# Altium PCB PCB2.PcbDoc (part 4 of 16) (continued)
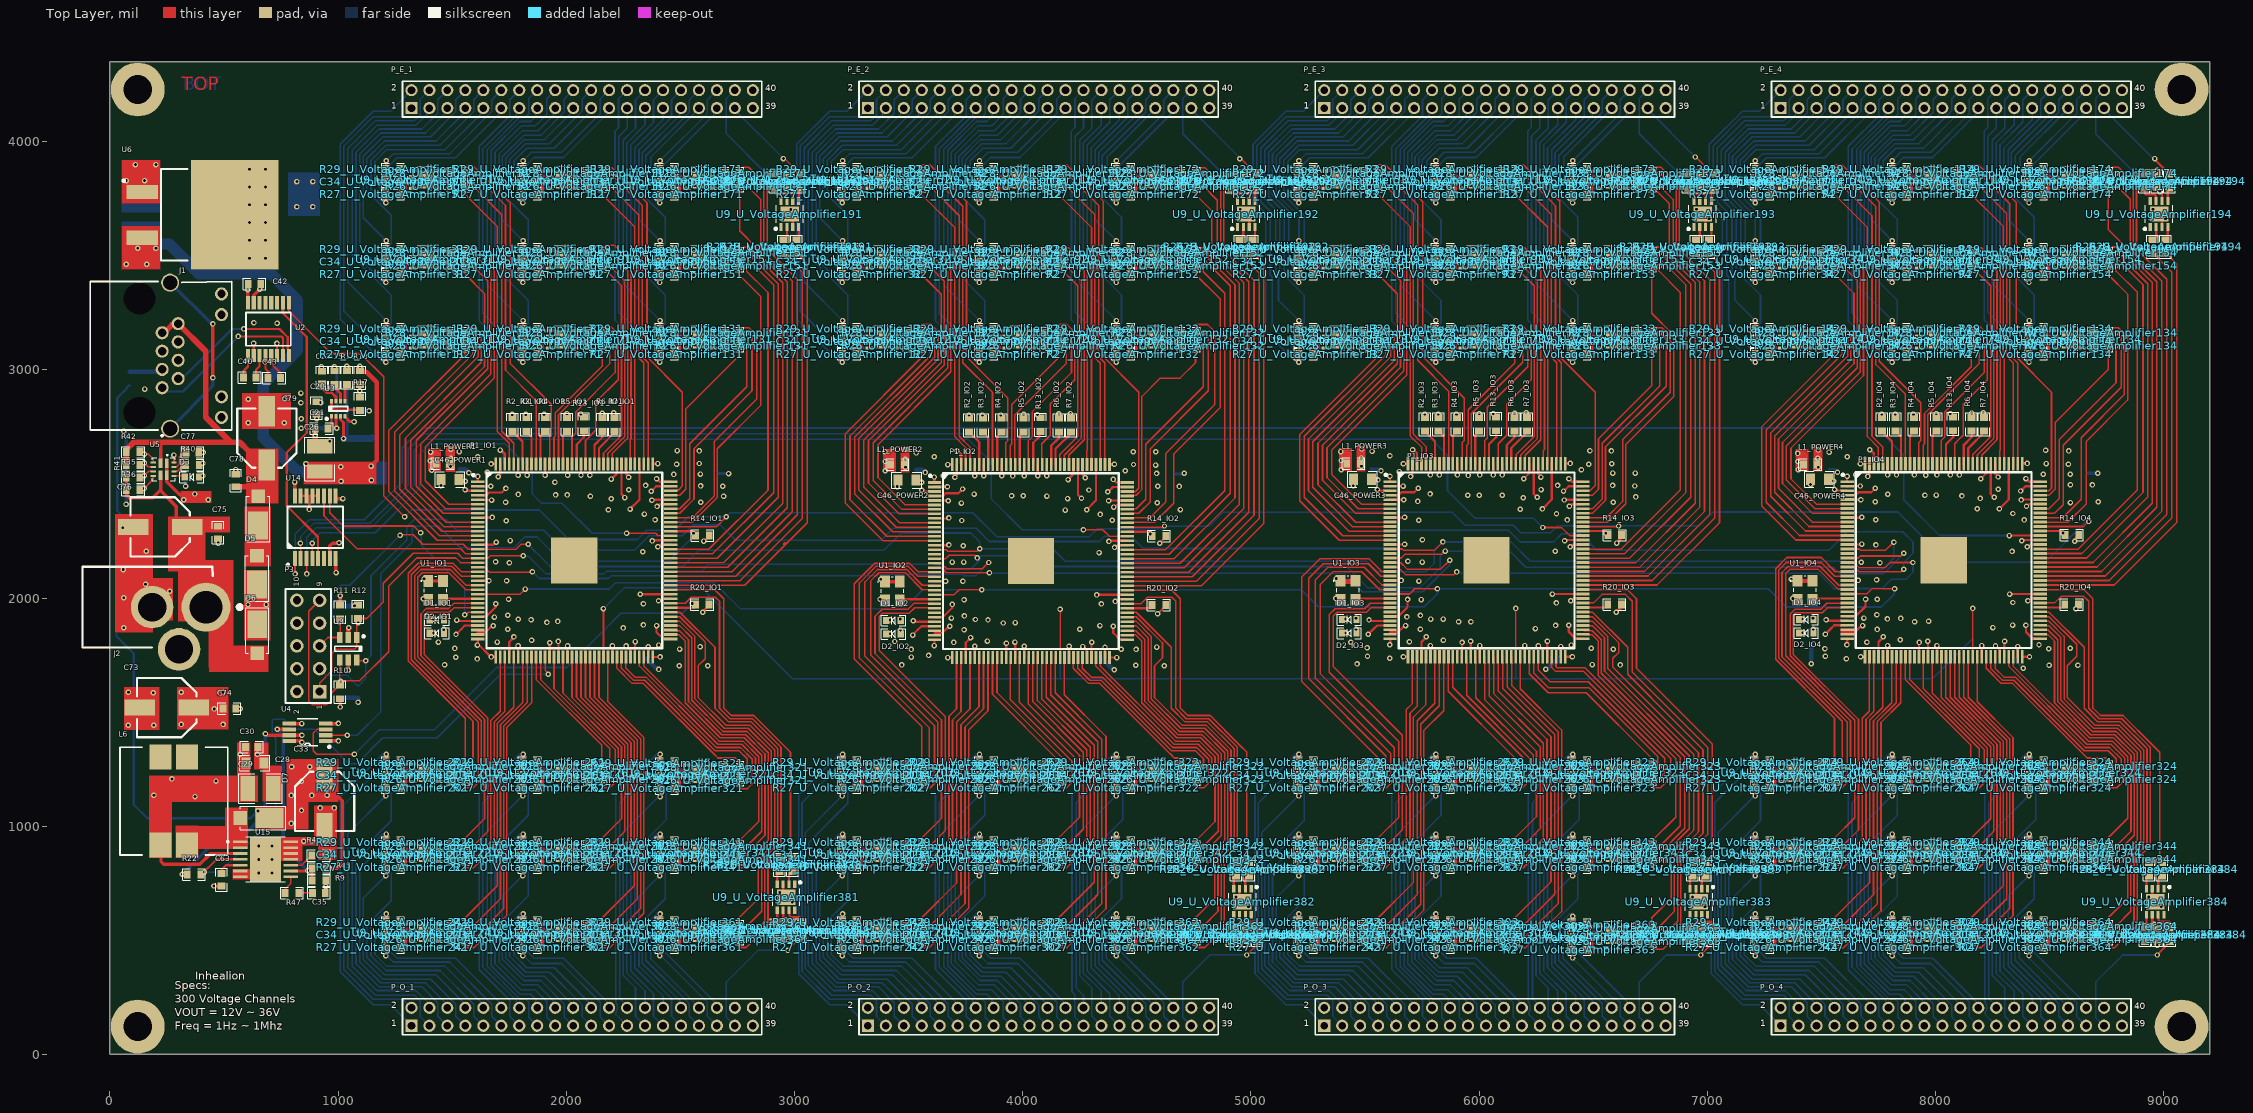
[diagram p0: Top Layer view]
## Components (designator, comment, footprint, x,y, rotation, side; value= is the part's Value field where it differs from the comment) (continued)
R29_U_VoltageAmplifier341 "160R" 0603R 2440.09,929.18 r0 top (schematic designator R29)
R29_U_VoltageAmplifier342 "160R" 0603R 4440.09,929.18 r0 top (schematic designator R29)
R29_U_VoltageAmplifier343 "160R" 0603R 6440.09,929.18 r0 top (schematic designator R29)
R29_U_VoltageAmplifier344 "160R" 0603R 8440.09,929.18 r0 top (schematic designator R29)
R29_U_VoltageAmplifier351 "160R" 0603R 2440.09,819.18 r0 bottom (schematic designator R29)
R29_U_VoltageAmplifier352 "160R" 0603R 4440.09,819.18 r0 bottom (schematic designator R29)
R29_U_VoltageAmplifier353 "160R" 0603R 6440.09,819.18 r0 bottom (schematic designator R29)
R29_U_VoltageAmplifier354 "160R" 0603R 8440.09,819.18 r0 bottom (schematic designator R29)
R29_U_VoltageAmplifier361 "160R" 0603R 2440.09,579.18 r0 top (schematic designator R29)
R29_U_VoltageAmplifier362 "160R" 0603R 4440.09,579.18 r0 top (schematic designator R29)
R29_U_VoltageAmplifier363 "160R" 0603R 6440.09,569.18 r0 top (schematic designator R29)
R29_U_VoltageAmplifier364 "160R" 0603R 8440.09,579.18 r0 top (schematic designator R29)
R29_U_VoltageAmplifier371 "160R" 0603R 2440.09,469.18 r0 bottom (schematic designator R29)
R29_U_VoltageAmplifier372 "160R" 0603R 4440.09,469.18 r0 bottom (schematic designator R29)
R29_U_VoltageAmplifier373 "160R" 0603R 6440.09,459.18 r0 bottom (schematic designator R29)
R29_U_VoltageAmplifier374 "160R" 0603R 8440.09,469.18 r0 bottom (schematic designator R29)
R29_U_VoltageAmplifier381 "160R" 0603R 2917.67,544.42 r90 top (schematic designator R29)
R29_U_VoltageAmplifier382 "160R" 0603R 4917.67,524.42 r90 top (schematic designator R29)
R29_U_VoltageAmplifier383 "160R" 0603R 6917.67,524.42 r90 top (schematic designator R29)
R29_U_VoltageAmplifier384 "160R" 0603R 8917.67,524.42 r90 top (schematic designator R29)
R30 "10K" 0603R 4234.86,2384.49 r180 bottom
R31 "10K" 0603R 6102.56,2498.14 r270 bottom
R32 "10K" 0603R 6227.86,2388.99 r0 bottom
R33 "10K" 0603R 8114.06,2498.29 r270 bottom
R34 "10K" 0603R 8231.36,2391.29 r180 bottom
R35 "13K" 0603R 101.8,2527.82 r180 top
R36 "40.2K" 0603R 101.8,2472.29 r0 top
R37 "2K" 0603R 358.27,2531.5 r180 bottom
R38 "1K" 0603R 101.8,2527.82 r180 bottom
R39 "13K" 0603R 101.8,2472.29 r0 bottom
R40 "20K" 0603R 361.6,2583.36 r180 top
R41 "13K" 0603R 101.8,2583.36 r180 top
R42 "40.2K" 0603R 101.8,2638.89 r0 top
R43 "1K" 0603R 101.8,2583.36 r180 bottom
R44 "10K" 0603R 101.8,2638.89 r0 bottom
R45 "180K" 0603R 915.76,815.66 r0 top
R46 "13K" 0603R 86.26,2960.89 r270 bottom
R47 "5.23K" 0603R 797.76,707.99 r0 top
R48 "86.6K" 0603R 915.46,871.29 r0 top
R49 "1K" 0603R 151.46,2960.89 r270 bottom
U1_IO1 "OSC-25" ASE-25.000MHZ-LC-T 1427.46,2033.29 r270 top value=25MHZ (schematic designator U1)
U1_IO2 "OSC-25" ASE-25.000MHZ-LC-T 3428.56,2030.69 r270 top value=25MHZ (schematic designator U1)
U1_IO3 "OSC-25" ASE-25.000MHZ-LC-T 5425.46,2034.14 r270 top value=25MHZ (schematic designator U1)
U1_IO4 "OSC-25" ASE-25.000MHZ-LC-T 7428.46,2034.29 r270 top value=25MHZ (schematic designator U1)
U2 "MAX3232CPWR" MAX3232CPWR 694.16,3178.39 r90 top
U3 "MP2333HGTL" MP2333HGTL-P 1000.83,2829.78 r90 top value=3.3V
U4 "MCP4562" MCP4562T-503E/MS 865.46,1411.59 r180 top value=50K
U5 "TPS2121" TPS2121RUXT 235.38,2564.79 r270 top
U6 "LD1085D2T33R" LD1085D2T33R 546.1,3679.37 r0 top value=3.3V
U8 "NUP4114" NUP4114HMR6T1G 1044.26,1777.69 r270 top value=TVS
U9_U_VoltageAmplifier11 "IX4427MTR" IX4427MTR 1384.17,3133.98 r180 top (schematic designator U9)
U9_U_VoltageAmplifier12 "IX4427MTR" IX4427MTR 3384.17,3133.98 r180 top (schematic designator U9)
U9_U_VoltageAmplifier13 "IX4427MTR" IX4427MTR 5384.17,3133.98 r180 top (schematic designator U9)
U9_U_VoltageAmplifier14 "IX4427MTR" IX4427MTR 7384.17,3133.98 r180 top (schematic designator U9)
U9_U_VoltageAmplifier21 "IX4427MTR" IX4427MTR 1384.17,3133.98 r180 bottom (schematic designator U9)
U9_U_VoltageAmplifier22 "IX4427MTR" IX4427MTR 3384.17,3133.98 r180 bottom (schematic designator U9)
U9_U_VoltageAmplifier23 "IX4427MTR" IX4427MTR 5384.17,3133.98 r180 bottom (schematic designator U9)
U9_U_VoltageAmplifier24 "IX4427MTR" IX4427MTR 7384.17,3133.98 r180 bottom (schematic designator U9)
U9_U_VoltageAmplifier31 "IX4427MTR" IX4427MTR 1384.17,3483.98 r180 top (schematic designator U9)
U9_U_VoltageAmplifier32 "IX4427MTR" IX4427MTR 3384.17,3483.98 r180 top (schematic designator U9)
U9_U_VoltageAmplifier33 "IX4427MTR" IX4427MTR 5384.17,3483.98 r180 top (schematic designator U9)
U9_U_VoltageAmplifier34 "IX4427MTR" IX4427MTR 7384.17,3483.98 r180 top (schematic designator U9)
U9_U_VoltageAmplifier41 "IX4427MTR" IX4427MTR 1384.17,3483.98 r180 bottom (schematic designator U9)
U9_U_VoltageAmplifier42 "IX4427MTR" IX4427MTR 3384.17,3483.98 r180 bottom (schematic designator U9)
U9_U_VoltageAmplifier43 "IX4427MTR" IX4427MTR 5384.17,3483.98 r180 bottom (schematic designator U9)
U9_U_VoltageAmplifier44 "IX4427MTR" IX4427MTR 7384.17,3483.98 r180 bottom (schematic designator U9)
U9_U_VoltageAmplifier51 "IX4427MTR" IX4427MTR 1384.17,3833.98 r180 top (schematic designator U9)
U9_U_VoltageAmplifier52 "IX4427MTR" IX4427MTR 3384.17,3833.98 r180 top (schematic designator U9)
U9_U_VoltageAmplifier53 "IX4427MTR" IX4427MTR 5384.17,3833.98 r180 top (schematic designator U9)
U9_U_VoltageAmplifier54 "IX4427MTR" IX4427MTR 7384.17,3833.98 r180 top (schematic designator U9)
U9_U_VoltageAmplifier61 "IX4427MTR" IX4427MTR 1384.17,3833.98 r180 bottom (schematic designator U9)
U9_U_VoltageAmplifier62 "IX4427MTR" IX4427MTR 3384.17,3833.98 r180 bottom (schematic designator U9)
U9_U_VoltageAmplifier63 "IX4427MTR" IX4427MTR 5384.17,3833.98 r180 bottom (schematic designator U9)
U9_U_VoltageAmplifier64 "IX4427MTR" IX4427MTR 7384.17,3833.98 r180 bottom (schematic designator U9)
U9_U_VoltageAmplifier71 "IX4427MTR" IX4427MTR 1984.17,3133.98 r180 top (schematic designator U9)
U9_U_VoltageAmplifier72 "IX4427MTR" IX4427MTR 3984.17,3133.98 r180 top (schematic designator U9)
U9_U_VoltageAmplifier73 "IX4427MTR" IX4427MTR 5984.17,3133.98 r180 top (schematic designator U9)
U9_U_VoltageAmplifier74 "IX4427MTR" IX4427MTR 7984.17,3133.98 r180 top (schematic designator U9)
U9_U_VoltageAmplifier81 "IX4427MTR" IX4427MTR 1984.17,3133.98 r180 bottom (schematic designator U9)
U9_U_VoltageAmplifier82 "IX4427MTR" IX4427MTR 3984.17,3133.98 r180 bottom (schematic designator U9)
U9_U_VoltageAmplifier83 "IX4427MTR" IX4427MTR 5984.17,3133.98 r180 bottom (schematic designator U9)
U9_U_VoltageAmplifier84 "IX4427MTR" IX4427MTR 7984.17,3133.98 r180 bottom (schematic designator U9)
U9_U_VoltageAmplifier91 "IX4427MTR" IX4427MTR 1984.17,3483.98 r180 top (schematic designator U9)
U9_U_VoltageAmplifier92 "IX4427MTR" IX4427MTR 3984.17,3483.98 r180 top (schematic designator U9)
U9_U_VoltageAmplifier93 "IX4427MTR" IX4427MTR 5984.17,3483.98 r180 top (schematic designator U9)
U9_U_VoltageAmplifier94 "IX4427MTR" IX4427MTR 7984.17,3483.98 r180 top (schematic designator U9)
U9_U_VoltageAmplifier101 "IX4427MTR" IX4427MTR 1984.17,3483.98 r180 bottom (schematic designator U9)
U9_U_VoltageAmplifier102 "IX4427MTR" IX4427MTR 3984.17,3483.98 r180 bottom (schematic designator U9)
U9_U_VoltageAmplifier103 "IX4427MTR" IX4427MTR 5984.17,3483.98 r180 bottom (schematic designator U9)
U9_U_VoltageAmplifier104 "IX4427MTR" IX4427MTR 7984.17,3483.98 r180 bottom (schematic designator U9)
U9_U_VoltageAmplifier111 "IX4427MTR" IX4427MTR 1984.17,3833.98 r180 top (schematic designator U9)
U9_U_VoltageAmplifier112 "IX4427MTR" IX4427MTR 3984.17,3833.98 r180 top (schematic designator U9)
U9_U_VoltageAmplifier113 "IX4427MTR" IX4427MTR 5984.17,3833.98 r180 top (schematic designator U9)
U9_U_VoltageAmplifier114 "IX4427MTR" IX4427MTR 7984.17,3833.98 r180 top (schematic designator U9)
U9_U_VoltageAmplifier121 "IX4427MTR" IX4427MTR 1984.17,3833.98 r180 bottom (schematic designator U9)
U9_U_VoltageAmplifier122 "IX4427MTR" IX4427MTR 3984.17,3833.98 r180 bottom (schematic designator U9)
U9_U_VoltageAmplifier123 "IX4427MTR" IX4427MTR 5984.17,3833.98 r180 bottom (schematic designator U9)
U9_U_VoltageAmplifier124 "IX4427MTR" IX4427MTR 7984.17,3833.98 r180 bottom (schematic designator U9)
U9_U_VoltageAmplifier131 "IX4427MTR" IX4427MTR 2584.17,3133.98 r180 top (schematic designator U9)
U9_U_VoltageAmplifier132 "IX4427MTR" IX4427MTR 4584.17,3133.98 r180 top (schematic designator U9)
U9_U_VoltageAmplifier133 "IX4427MTR" IX4427MTR 6584.17,3133.98 r180 top (schematic designator U9)
U9_U_VoltageAmplifier134 "IX4427MTR" IX4427MTR 8584.17,3133.98 r180 top (schematic designator U9)
U9_U_VoltageAmplifier141 "IX4427MTR" IX4427MTR 2584.17,3133.98 r180 bottom (schematic designator U9)
U9_U_VoltageAmplifier142 "IX4427MTR" IX4427MTR 4584.17,3133.98 r180 bottom (schematic designator U9)
U9_U_VoltageAmplifier143 "IX4427MTR" IX4427MTR 6584.17,3133.98 r180 bottom (schematic designator U9)
U9_U_VoltageAmplifier144 "IX4427MTR" IX4427MTR 8584.17,3133.98 r180 bottom (schematic designator U9)
U9_U_VoltageAmplifier151 "IX4427MTR" IX4427MTR 2584.17,3483.98 r180 top (schematic designator U9)
U9_U_VoltageAmplifier152 "IX4427MTR" IX4427MTR 4584.17,3483.98 r180 top (schematic designator U9)
U9_U_VoltageAmplifier153 "IX4427MTR" IX4427MTR 6584.17,3483.98 r180 top (schematic designator U9)
U9_U_VoltageAmplifier154 "IX4427MTR" IX4427MTR 8584.17,3483.98 r180 top (schematic designator U9)
U9_U_VoltageAmplifier161 "IX4427MTR" IX4427MTR 2584.17,3483.98 r180 bottom (schematic designator U9)
U9_U_VoltageAmplifier162 "IX4427MTR" IX4427MTR 4584.17,3483.98 r180 bottom (schematic designator U9)
U9_U_VoltageAmplifier163 "IX4427MTR" IX4427MTR 6584.17,3483.98 r180 bottom (schematic designator U9)
U9_U_VoltageAmplifier164 "IX4427MTR" IX4427MTR 8584.17,3483.98 r180 bottom (schematic designator U9)
U9_U_VoltageAmplifier171 "IX4427MTR" IX4427MTR 2584.17,3833.98 r180 top (schematic designator U9)
U9_U_VoltageAmplifier172 "IX4427MTR" IX4427MTR 4584.17,3833.98 r180 top (schematic designator U9)
U9_U_VoltageAmplifier173 "IX4427MTR" IX4427MTR 6584.17,3833.98 r180 top (schematic designator U9)
U9_U_VoltageAmplifier174 "IX4427MTR" IX4427MTR 8584.17,3833.98 r180 top (schematic designator U9)
U9_U_VoltageAmplifier181 "IX4427MTR" IX4427MTR 2584.17,3833.98 r180 bottom (schematic designator U9)
U9_U_VoltageAmplifier182 "IX4427MTR" IX4427MTR 4584.17,3833.98 r180 bottom (schematic designator U9)
U9_U_VoltageAmplifier183 "IX4427MTR" IX4427MTR 6584.17,3833.98 r180 bottom (schematic designator U9)
U9_U_VoltageAmplifier184 "IX4427MTR" IX4427MTR 8584.17,3833.98 r180 bottom (schematic designator U9)
U9_U_VoltageAmplifier191 "IX4427MTR" IX4427MTR 2979.65,3682.68 r90 top (schematic designator U9)
U9_U_VoltageAmplifier192 "IX4427MTR" IX4427MTR 4979.65,3682.68 r90 top (schematic designator U9)
U9_U_VoltageAmplifier193 "IX4427MTR" IX4427MTR 6979.65,3682.68 r90 top (schematic designator U9)
U9_U_VoltageAmplifier194 "IX4427MTR" IX4427MTR 8979.65,3682.68 r90 top (schematic designator U9)
U9_U_VoltageAmplifier201 "IX4427MTR" IX4427MTR 1384.17,1233.98 r180 top (schematic designator U9)
U9_U_VoltageAmplifier202 "IX4427MTR" IX4427MTR 3384.17,1233.98 r180 top (schematic designator U9)
U9_U_VoltageAmplifier203 "IX4427MTR" IX4427MTR 5384.17,1233.98 r180 top (schematic designator U9)
U9_U_VoltageAmplifier204 "IX4427MTR" IX4427MTR 7384.17,1233.98 r180 top (schematic designator U9)
U9_U_VoltageAmplifier211 "IX4427MTR" IX4427MTR 1384.17,1233.98 r180 bottom (schematic designator U9)
U9_U_VoltageAmplifier212 "IX4427MTR" IX4427MTR 3384.17,1233.98 r180 bottom (schematic designator U9)
U9_U_VoltageAmplifier213 "IX4427MTR" IX4427MTR 5384.17,1233.98 r180 bottom (schematic designator U9)
U9_U_VoltageAmplifier214 "IX4427MTR" IX4427MTR 7384.17,1233.98 r180 bottom (schematic designator U9)
U9_U_VoltageAmplifier221 "IX4427MTR" IX4427MTR 1384.17,883.98 r180 top (schematic designator U9)
U9_U_VoltageAmplifier222 "IX4427MTR" IX4427MTR 3384.17,883.98 r180 top (schematic designator U9)
U9_U_VoltageAmplifier223 "IX4427MTR" IX4427MTR 5384.17,883.98 r180 top (schematic designator U9)
U9_U_VoltageAmplifier224 "IX4427MTR" IX4427MTR 7384.17,883.98 r180 top (schematic designator U9)
U9_U_VoltageAmplifier231 "IX4427MTR" IX4427MTR 1384.17,883.98 r180 bottom (schematic designator U9)
U9_U_VoltageAmplifier232 "IX4427MTR" IX4427MTR 3384.17,883.98 r180 bottom (schematic designator U9)
U9_U_VoltageAmplifier233 "IX4427MTR" IX4427MTR 5384.17,883.98 r180 bottom (schematic designator U9)
U9_U_VoltageAmplifier234 "IX4427MTR" IX4427MTR 7384.17,883.98 r180 bottom (schematic designator U9)
U9_U_VoltageAmplifier241 "IX4427MTR" IX4427MTR 1384.17,533.98 r180 top (schematic designator U9)
U9_U_VoltageAmplifier242 "IX4427MTR" IX4427MTR 3384.17,533.98 r180 top (schematic designator U9)
U9_U_VoltageAmplifier243 "IX4427MTR" IX4427MTR 5384.17,533.98 r180 top (schematic designator U9)
U9_U_VoltageAmplifier244 "IX4427MTR" IX4427MTR 7384.17,533.98 r180 top (schematic designator U9)
U9_U_VoltageAmplifier251 "IX4427MTR" IX4427MTR 1384.17,533.98 r180 bottom (schematic designator U9)
U9_U_VoltageAmplifier252 "IX4427MTR" IX4427MTR 3384.17,533.98 r180 bottom (schematic designator U9)
U9_U_VoltageAmplifier253 "IX4427MTR" IX4427MTR 5384.17,533.98 r180 bottom (schematic designator U9)
U9_U_VoltageAmplifier254 "IX4427MTR" IX4427MTR 7384.17,533.98 r180 bottom (schematic designator U9)
U9_U_VoltageAmplifier261 "IX4427MTR" IX4427MTR 1984.17,1233.98 r180 top (schematic designator U9)
U9_U_VoltageAmplifier262 "IX4427MTR" IX4427MTR 3984.17,1233.98 r180 top (schematic designator U9)
U9_U_VoltageAmplifier263 "IX4427MTR" IX4427MTR 5984.17,1233.98 r180 top (schematic designator U9)
U9_U_VoltageAmplifier264 "IX4427MTR" IX4427MTR 7984.17,1233.98 r180 top (schematic designator U9)
U9_U_VoltageAmplifier271 "IX4427MTR" IX4427MTR 1984.17,1233.98 r180 bottom (schematic designator U9)
U9_U_VoltageAmplifier272 "IX4427MTR" IX4427MTR 3984.17,1233.98 r180 bottom (schematic designator U9)
U9_U_VoltageAmplifier273 "IX4427MTR" IX4427MTR 5984.17,1233.98 r180 bottom (schematic designator U9)
U9_U_VoltageAmplifier274 "IX4427MTR" IX4427MTR 7984.17,1233.98 r180 bottom (schematic designator U9)
U9_U_VoltageAmplifier281 "IX4427MTR" IX4427MTR 1984.17,883.98 r180 top (schematic designator U9)
U9_U_VoltageAmplifier282 "IX4427MTR" IX4427MTR 3984.17,883.98 r180 top (schematic designator U9)
U9_U_VoltageAmplifier283 "IX4427MTR" IX4427MTR 5984.17,883.98 r180 top (schematic designator U9)
U9_U_VoltageAmplifier284 "IX4427MTR" IX4427MTR 7984.17,883.98 r180 top (schematic designator U9)
U9_U_VoltageAmplifier291 "IX4427MTR" IX4427MTR 1984.17,883.98 r180 bottom (schematic designator U9)
U9_U_VoltageAmplifier292 "IX4427MTR" IX4427MTR 3984.17,883.98 r180 bottom (schematic designator U9)
U9_U_VoltageAmplifier293 "IX4427MTR" IX4427MTR 5984.17,883.98 r180 bottom (schematic designator U9)
U9_U_VoltageAmplifier294 "IX4427MTR" IX4427MTR 7984.17,883.98 r180 bottom (schematic designator U9)
U9_U_VoltageAmplifier301 "IX4427MTR" IX4427MTR 1984.17,533.98 r180 top (schematic designator U9)
U9_U_VoltageAmplifier302 "IX4427MTR" IX4427MTR 3984.17,533.98 r180 top (schematic designator U9)
U9_U_VoltageAmplifier303 "IX4427MTR" IX4427MTR 5984.17,533.98 r180 top (schematic designator U9)
U9_U_VoltageAmplifier304 "IX4427MTR" IX4427MTR 7984.17,533.98 r180 top (schematic designator U9)
U9_U_VoltageAmplifier311 "IX4427MTR" IX4427MTR 1984.17,533.98 r180 bottom (schematic designator U9)
U9_U_VoltageAmplifier312 "IX4427MTR" IX4427MTR 3984.17,533.98 r180 bottom (schematic designator U9)
U9_U_VoltageAmplifier313 "IX4427MTR" IX4427MTR 5984.17,533.98 r180 bottom (schematic designator U9)
U9_U_VoltageAmplifier314 "IX4427MTR" IX4427MTR 7984.17,533.98 r180 bottom (schematic designator U9)
U9_U_VoltageAmplifier321 "IX4427MTR" IX4427MTR 2585.35,1230.39 r180 top (schematic designator U9)
U9_U_VoltageAmplifier322 "IX4427MTR" IX4427MTR 4584.17,1233.98 r180 top (schematic designator U9)
U9_U_VoltageAmplifier323 "IX4427MTR" IX4427MTR 6584.17,1233.98 r180 top (schematic designator U9)
U9_U_VoltageAmplifier324 "IX4427MTR" IX4427MTR 8584.17,1233.98 r180 top (schematic designator U9)
U9_U_VoltageAmplifier331 "IX4427MTR" IX4427MTR 2585.35,1230.39 r180 bottom (schematic designator U9)
U9_U_VoltageAmplifier332 "IX4427MTR" IX4427MTR 4584.17,1233.98 r180 bottom (schematic designator U9)
U9_U_VoltageAmplifier333 "IX4427MTR" IX4427MTR 6584.17,1233.98 r180 bottom (schematic designator U9)
U9_U_VoltageAmplifier334 "IX4427MTR" IX4427MTR 8584.17,1233.98 r180 bottom (schematic designator U9)
U9_U_VoltageAmplifier341 "IX4427MTR" IX4427MTR 2584.17,883.98 r180 top (schematic designator U9)
U9_U_VoltageAmplifier342 "IX4427MTR" IX4427MTR 4584.17,883.98 r180 top (schematic designator U9)
U9_U_VoltageAmplifier343 "IX4427MTR" IX4427MTR 6584.17,883.98 r180 top (schematic designator U9)
U9_U_VoltageAmplifier344 "IX4427MTR" IX4427MTR 8584.17,883.98 r180 top (schematic designator U9)
U9_U_VoltageAmplifier351 "IX4427MTR" IX4427MTR 2584.17,883.98 r180 bottom (schematic designator U9)
U9_U_VoltageAmplifier352 "IX4427MTR" IX4427MTR 4584.17,883.98 r180 bottom (schematic designator U9)
U9_U_VoltageAmplifier353 "IX4427MTR" IX4427MTR 6584.17,883.98 r180 bottom (schematic designator U9)
U9_U_VoltageAmplifier354 "IX4427MTR" IX4427MTR 8584.17,883.98 r180 bottom (schematic designator U9)
U9_U_VoltageAmplifier361 "IX4427MTR" IX4427MTR 2584.17,533.98 r180 top (schematic designator U9)
U9_U_VoltageAmplifier362 "IX4427MTR" IX4427MTR 4584.17,533.98 r180 top (schematic designator U9)
U9_U_VoltageAmplifier363 "IX4427MTR" IX4427MTR 6584.17,523.98 r180 top (schematic designator U9)
U9_U_VoltageAmplifier364 "IX4427MTR" IX4427MTR 8584.17,533.98 r180 top (schematic designator U9)
U9_U_VoltageAmplifier371 "IX4427MTR" IX4427MTR 2584.17,533.98 r180 bottom (schematic designator U9)
U9_U_VoltageAmplifier372 "IX4427MTR" IX4427MTR 4584.17,533.98 r180 bottom (schematic designator U9)
U9_U_VoltageAmplifier373 "IX4427MTR" IX4427MTR 6584.17,523.98 r180 bottom (schematic designator U9)
U9_U_VoltageAmplifier374 "IX4427MTR" IX4427MTR 8584.17,533.98 r180 bottom (schematic designator U9)
U9_U_VoltageAmplifier381 "IX4427MTR" IX4427MTR 2962.87,688.5 r270 top (schematic designator U9)
U9_U_VoltageAmplifier382 "IX4427MTR" IX4427MTR 4962.87,668.5 r270 top (schematic designator U9)
U9_U_VoltageAmplifier383 "IX4427MTR" IX4427MTR 6962.87,668.5 r270 top (schematic designator U9)
U9_U_VoltageAmplifier384 "IX4427MTR" IX4427MTR 8962.87,668.5 r270 top (schematic designator U9)
U14 "74HC151DB,118" 74HC151DB,118 899.86,2310.29 r90 top
U15 "TPS61175PWPR" TPS61175PWPR 681.66,854.85 r0 top

## Footprints (in the part's own frame and the unit in brackets; to place one, negate y for a bottom-side part, rotate by r counter-clockwise, add the part's x,y. Pads: shape width x height; smd on the part's side, far side on the other; paste and mask are expansions set on the pad)
10M04SCE144C8G [mm]
  rect 1.475x0.3 smd: 1(-10.738,8.75) 2(-10.738,8.25) 3(-10.738,7.75) 4(-10.738,7.25) 5(-10.738,6.75) 6(-10.738,6.25) 7(-10.738,5.75) 8(-10.738,5.25) 9(-10.738,4.75) 10(-10.738,4.25) 11(-10.738,3.75) 12(-10.738,3.25) 13(-10.738,2.75) 14(-10.738,2.25) 15(-10.738,1.75) 16(-10.738,1.25) 17(-10.738,0.75) 18(-10.738,0.25) 19(-10.738,-0.25) 20(-10.738,-0.75) 21(-10.738,-1.25) 22(-10.738,-1.75) 23(-10.738,-2.25) 24(-10.738,-2.75) 25(-10.738,-3.25) 26(-10.738,-3.75) 27(-10.738,-4.25) 28(-10.738,-4.75) 29(-10.738,-5.25) 30(-10.738,-5.75) 31(-10.738,-6.25) 32(-10.738,-6.75) 33(-10.738,-7.25) 34(-10.738,-7.75) 35(-10.738,-8.25) 36(-10.738,-8.75) 73(10.738,-8.75) 74(10.738,-8.25) 75(10.738,-7.75) 76(10.738,-7.25) 77(10.738,-6.75) 78(10.738,-6.25) 79(10.738,-5.75) 80(10.738,-5.25) 81(10.738,-4.75) 82(10.738,-4.25) 83(10.738,-3.75) 84(10.738,-3.25) 85(10.738,-2.75) 86(10.738,-2.25) 87(10.738,-1.75) 88(10.738,-1.25) 89(10.738,-0.75) 90(10.738,-0.25) 91(10.738,0.25) 92(10.738,0.75) 93(10.738,1.25) 94(10.738,1.75) 95(10.738,2.25) 96(10.738,2.75) 97(10.738,3.25) 98(10.738,3.75) 99(10.738,4.25) 100(10.738,4.75) 101(10.738,5.25) 102(10.738,5.75) 103(10.738,6.25) 104(10.738,6.75) 105(10.738,7.25) 106(10.738,7.75) 107(10.738,8.25) 108(10.738,8.75)
  rect 0.3x1.475 smd: 37(-8.75,-10.738) 38(-8.25,-10.738) 39(-7.75,-10.738) 40(-7.25,-10.738) 41(-6.75,-10.738) 42(-6.25,-10.738) 43(-5.75,-10.738) 44(-5.25,-10.738) 45(-4.75,-10.738) 46(-4.25,-10.738) 47(-3.75,-10.738) 48(-3.25,-10.738) 49(-2.75,-10.738) 50(-2.25,-10.738) 51(-1.75,-10.738) 52(-1.25,-10.738) 53(-0.75,-10.738) 54(-0.25,-10.738) 55(0.25,-10.738) 56(0.75,-10.738) 57(1.25,-10.738) 58(1.75,-10.738) 59(2.25,-10.738) 60(2.75,-10.738) 61(3.25,-10.738) 62(3.75,-10.738) 63(4.25,-10.738) 64(4.75,-10.738) 65(5.25,-10.738) 66(5.75,-10.738) 67(6.25,-10.738) 68(6.75,-10.738) 69(7.25,-10.738) 70(7.75,-10.738) 71(8.25,-10.738) 72(8.75,-10.738) 109(8.75,10.738) 110(8.25,10.738) 111(7.75,10.738) 112(7.25,10.738) 113(6.75,10.738) 114(6.25,10.738) 115(5.75,10.738) 116(5.25,10.738) 117(4.75,10.738) 118(4.25,10.738) 119(3.75,10.738) 120(3.25,10.738) 121(2.75,10.738) 122(2.25,10.738) 123(1.75,10.738) 124(1.25,10.738) 125(0.75,10.738) 126(0.25,10.738) 127(-0.25,10.738) 128(-0.75,10.738) 129(-1.25,10.738) 130(-1.75,10.738) 131(-2.25,10.738) 132(-2.75,10.738) 133(-3.25,10.738) 134(-3.75,10.738) 135(-4.25,10.738) 136(-4.75,10.738) 137(-5.25,10.738) 138(-5.75,10.738) 139(-6.25,10.738) 140(-6.75,10.738) 141(-7.25,10.738) 142(-7.75,10.738) 143(-8.25,10.738) 144(-8.75,10.738)
  rect 5.15x5.15 smd: 145(0,0)
  silkscreen extent -11.35,-9.78 9.78,9.78, body extent -11,-11 11,11, height 1.65
74HC151DB,118 [mm]
  rect 1.675x0.45 smd: 1(-3.488,2.275) 2(-3.488,1.625) 3(-3.488,0.975) 4(-3.488,0.325) 5(-3.488,-0.325) 6(-3.488,-0.975) 7(-3.488,-1.625) 8(-3.488,-2.275) 9(3.488,-2.275) 10(3.488,-1.625) 11(3.488,-0.975) 12(3.488,-0.325) 13(3.488,0.325) 14(3.488,0.975) 15(3.488,1.625) 16(3.488,2.275)
  silkscreen extent -4.32,-3.1 2.3,3.17, body extent -3.88,-3.1 3.88,3.1, height 2
0603C [mm]
  rect 0.762x0.9 smd: 1(-0.7,0) 2(0.7,0)
  silkscreen extent -1.27,-0.64 1.27,0.64, body extent -0.8,-0.4 0.8,0.4, height 0.93
0603L [mil]
  rect 30x35 smd: 1(30,0) 2(-30,0)
  silkscreen extent -50,-25 50,25, body extent -31,-16 32,16, height 31
0603R [mil]
  rect 30x35 smd: 1(30,0) 2(-30,0)
  silkscreen extent -50,-25 50,25, body extent -31,-17 31,17, height 18
0805C [mm]
  rect 1x1.25 smd: 1(-1,0) 2(1,0)
  silkscreen extent -1.65,-0.89 1.65,0.89, body extent -1,-0.6 1,0.6, height 0.91
1210C [mm]
  rect 1.6x2.794 smd: 1(-1.4,0) 2(1.4,0)
  silkscreen extent -2.41,-1.65 2.41,1.65, body extent -1.6,-1.25 1.6,1.25, height 2.5
ASE-25.000MHZ-LC-T [mm]
  rect 1.3x1.1 smd: 1(-1.05,-0.825) 2(1.05,-0.825) 3(1.05,0.825) 4(-1.05,0.825)
  silkscreen extent -1.6,-1.65 1.6,1.25, body extent -1.6,-1.26 1.6,1.26, height 1.1
CDRH124NP-220MC [mm]
  rect 2.45x2.8 smd: 1(-1.475,-4.9) 2(1.475,-4.9) 3(1.475,4.9) 4(-1.475,4.9)
  silkscreen extent -6,-6 6,6, body extent -6,-6.05 6,6.05, height 4.6
EEE-FN1J100L [mm]
  rect 3.4x1.8 smd: 1(-3,0) 2(3,0)
  silkscreen extent -3.3,-3.3 3.3,3.3, body extent -3.9,-3.4 3.9,3.4, height 6.1
HDR2X5 [mm] "Connector; Header; 5x2 Position"
  rect 1.5x1.5 hole 0.9: 1(0,0)
  round 1.5 hole 0.9: 2(0,2.54) 3(2.54,0) 4(2.54,2.54) 5(5.08,0) 6(5.08,2.54) 7(7.62,0) 8(7.62,2.54) 9(10.16,0) 10(10.16,2.54)
  silkscreen extent -1.27,-1.27 11.43,3.81
HDR2X20 [mm] "Connector; Header; 20x2 Position"
  rect 1.35x1.35 hole 0.85: 1(0,0)
  round 1.35 hole 0.85: 2(0,2) 3(2,0) 4(2,2) 5(4,0) 6(4,2) 7(6,0) 8(6,2) 9(8,0) 10(8,2) 11(10,0) 12(10,2) 13(12,0) 14(12,2) 15(14,0) 16(14,2) 17(16,0) 18(16,2) 19(18,0) 20(18,2) 21(20,0) 22(20,2) 23(22,0) 24(22,2) 25(24,0) 26(24,2) 27(26,0) 28(26,2) 29(28,0) 30(28,2) 31(30,0) 32(30,2) 33(32,0) 34(32,2) 35(34,0) 36(34,2) 37(36,0) 38(36,2) 39(38,0) 40(38,2)
  silkscreen extent -1,-1 39,3
IHLP1616BZER2R2M5A [mil]
  rect 90x120 smd: 1(0,0) 2(157.48,0)
  silkscreen extent -10,-85 165,85
IX4427MTR [mm]
  rect 0.85x0.35 smd: 1(-1.45,0.975) 2(-1.45,0.325) 3(-1.45,-0.325) 4(-1.45,-0.975) 5(1.45,-0.975) 6(1.45,-0.325) 7(1.45,0.325) 8(1.45,0.975)
  rect 1.7x2.05 smd: 9(0,0)
  silkscreen extent -1.78,-1.5 0.97,1.7, body extent -1.55,-1.5 1.55,1.5, height 0.9
LD1085D2T33R [mm]
  rect 3.5x1.6 smd: 1(-10.275,2.54) 3(-10.275,-2.54)
  rect 9.75x12.2 smd: 4(0,0)
  silkscreen extent -12.39,-5.1 -5.2,5.1, body extent -10.41,-3.25 -0.71,3.33, height 2.3
LED_0603 [mm]
  rect 0.7x0.8 smd: 1(-0.8,0) 2(0.8,0)
  silkscreen extent -1.35,-0.6 1.35,0.6, body extent -0.8,-0.4 0.8,0.4, height 0.75
MAX3232CPWR [mm]
  rect 1.475x0.45 smd: 1(-2.938,2.275) 2(-2.938,1.625) 3(-2.938,0.975) 4(-2.938,0.325) 5(-2.938,-0.325) 6(-2.938,-0.975) 7(-2.938,-1.625) 8(-2.938,-2.275) 9(2.938,-2.275) 10(2.938,-1.625) 11(2.938,-0.975) 12(2.938,-0.325) 13(2.938,0.325) 14(2.938,0.975) 15(2.938,1.625) 16(2.938,2.275)
  silkscreen extent -1.85,-2.5 1.85,2.5, body extent -3.2,-2.5 3.2,2.5, height 1.2
MCP4562T-503E/MS [mil]
  rect 60x18 smd: 1(-80,38) 2(-80,13) 3(-80,-13) 4(-80,-38) 5(80,-38) 6(80,-13) 7(80,13) 8(80,38)
  silkscreen extent -101,-59 45,69, body extent -99,-59 97,59, height 43
MP2333HGTL-P [mm]
  rect 0.475x0.3 smd: 1(-0.838,0.75) 2(-0.838,0.25) 3(-0.838,-0.25) 4(-0.838,-0.75) 5(0.838,-0.75) 6(0.838,-0.25) 7(0.838,0.25) 8(0.838,0.75)
  silkscreen extent -1.27,-1.05 0.25,1.42, body extent -0.8,-1.05 0.8,1.05, height 0.6
NUP4114HMR6T1G [mm]
  rect 1.25x0.6 smd: 1(-1.25,0.95) 2(-1.25,0) 3(-1.25,-0.95) 4(1.25,-0.95) 5(1.25,0) 6(1.25,0.95)
  silkscreen extent -1.5,-1.5 0.28,1.83, body extent -1.38,-1.5 1.38,1.5, height 1.1
PJ002BH [mm]
  round 5.46 hole 3.64: 1(0,0)
  round 4.74 hole 3.16: 2(6,0) 3(3,4.7)
  silkscreen extent -4,-4.5 13.75,4.5, body extent -0.73,-4.57 13.67,4.83, height 11.36
RJHSE5381 [mm]
  round 1.462 hole 0.94: 1(3.501,0.125) 2(2.481,1.905) 3(1.461,0.125) 4(0.441,1.905) 5(-0.579,0.125) 6(-1.599,1.905) 7(-2.619,0.125) 8(-3.639,1.905) 9(6.801,6.735) 10(4.511,6.735) 11(-4.649,6.735) 12(-6.939,6.735)
  round 2 hole 1.6: MH1(-8.199,1.015) MH2(8.061,1.015)
  round 1.65 hole 3.556 unplated: MH3(-6.419,-2.415) MH4(6.281,-2.415)
  silkscreen extent -8.32,-7.88 8.93,7.88, body extent -8.47,-8.13 8.36,8.08, height 16.37
TPS2121RUXT [mm]
  rect 1.05x0.4 smd: 1(-0.675,0.35) 2(-0.675,-0.35) 7(0.675,-0.35) 8(0.675,0.35)
  rect 0.2x0.6 smd: 3(-0.75,-1.15) 4(-0.25,-1.15) 5(0.25,-1.15) 6(0.75,-1.15) 9(0.75,1.15) 10(0.25,1.15) 11(-0.25,1.15) 12(-0.75,1.15)
  silkscreen extent -1.6,-1.27 1.27,1.27, body extent -1,-1.25 1,1.25, height 1.1
TPS61175PWPR [mm]
  rect 1.6x0.3 smd: 1(-2.8,1.95) 2(-2.8,1.3) 3(-2.8,0.65) 4(-2.8,0) 5(-2.8,-0.65) 6(-2.8,-1.3) 7(-2.8,-1.95) 8(2.8,-1.95) 9(2.8,-1.3) 10(2.8,-0.65) 11(2.8,0) 12(2.8,0.65) 13(2.8,1.3) 14(2.8,1.95)
  rect 3.4x5 smd: 15(0,0)
  round 0.44 hole 0.33: 16(-0.75,1.5) 17(0.75,1.5) 18(-0.75,0) 19(0.75,0) 20(-0.75,-1.5) 21(0.75,-1.5)
  silkscreen extent -4.3,-2.5 2.2,2.5, body extent -3.2,-2.5 3.2,2.5, height 1.2
V8PAM10SHM3H [mm]
  rect 3.1x2.2 smd: 1(-1.095,0)
  rect 1.5x1.52 smd: 2(2.125,0)
  silkscreen extent -2.92,-1.3 2.12,1.3, body extent -2.42,-1.3 2.73,1.3, height 1.1